# Altium PCB Fumsat Sanjeshi PCB.PcbDoc (part 2 of 2)
Units mm, origin at the board's own origin, x right, y up, seen from the top; angles counter-clockwise.
Board outline 60.2 x 90.04 mm, 4 copper layers (Top Layer, Layer 1, Layer 2, Bottom Layer); 128 components, 172 nets, 724 pads, 202 vias.
Unrouted connection lines stored in the file: 289.
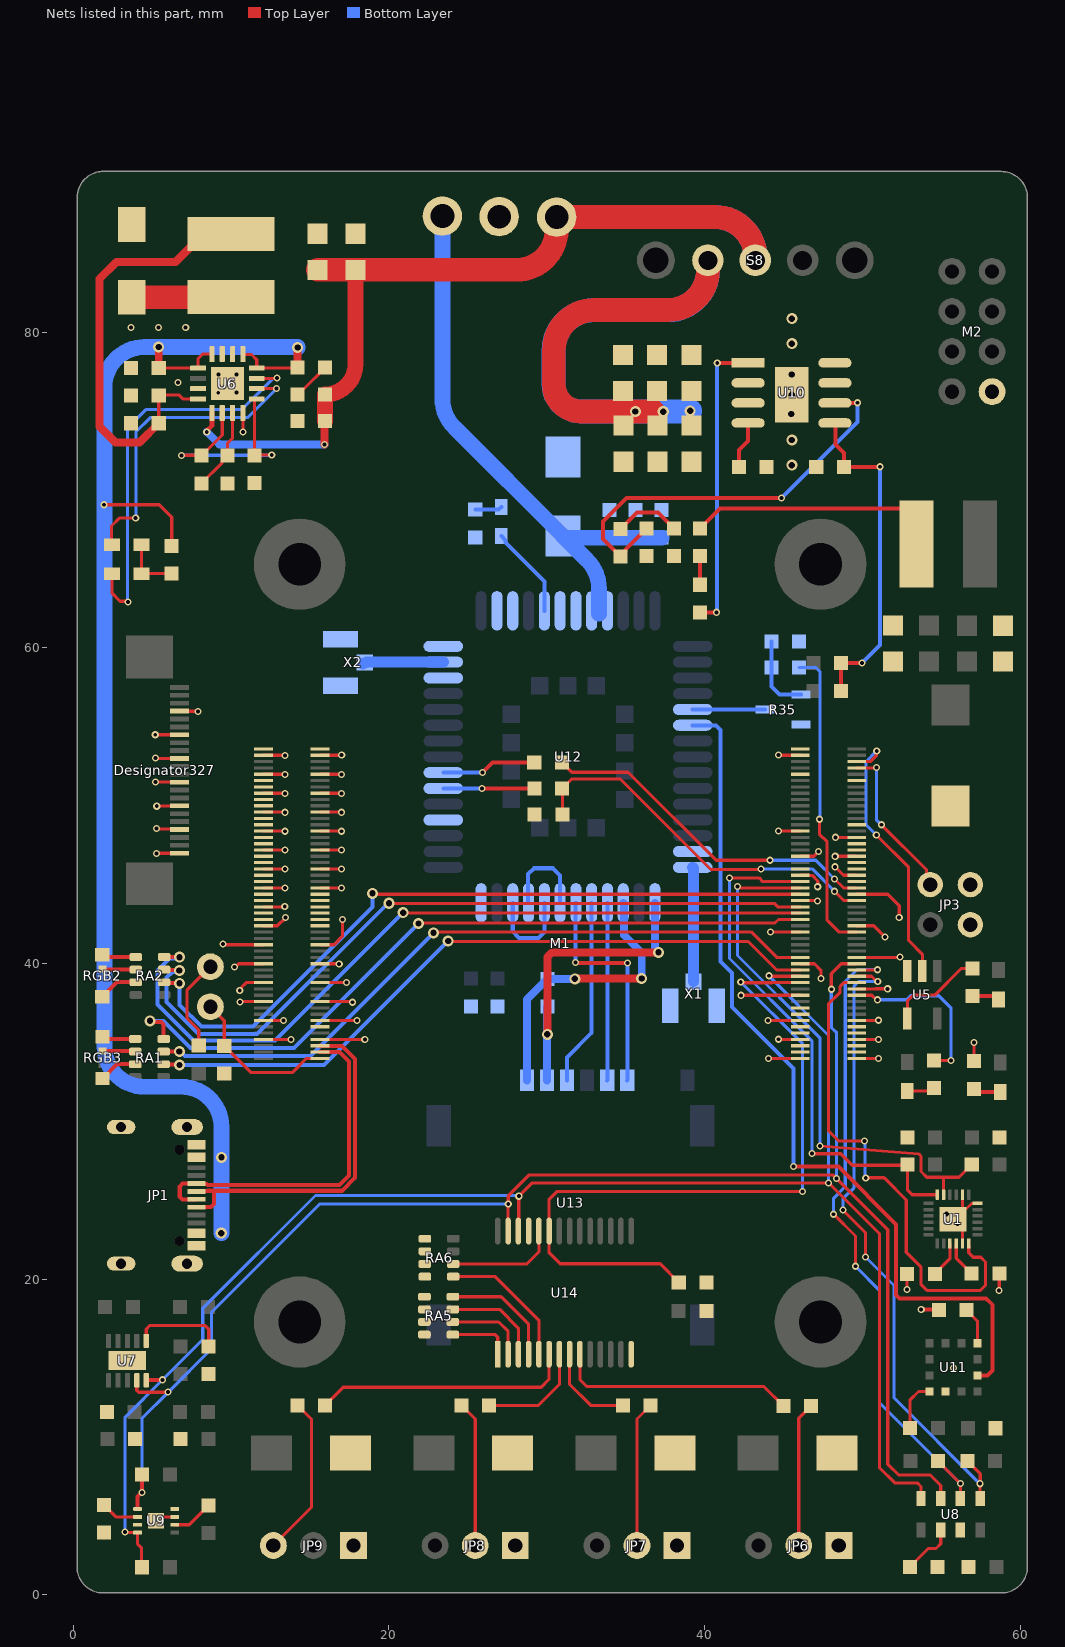
[diagram p4: the nets of this part, all layers, seen from the top]

## Via types
v1: diameter 0.45, hole 0.25, Top Layer to Bottom Layer, tented both sides, 161 vias
v2: diameter 0.7, hole 0.4, Top Layer to Bottom Layer, tented both sides, 39 vias
v3: diameter 0.45, hole 0.3, Top Layer to Bottom Layer, tented both sides, 2 vias

## Nets (pads, with @x,y where several pads share a name; then routed paths per layer and width w, separated by ;. In a path a pad name is that pad's centre, name@x,y a point inside that pad or via, vN(x,y) a via of type N, cw(c..) or ccw(c..) an arc to the next point about the centre after c; other vN are vias at no path point) (continued)
GND: C4.2 C5.2 C6.2 C7.1 C8.1 C9.1 C10.2 C11.1 C12.1 C14.2 C15.2 C16.2 C17.2 C18.2 C19.2 C21.2 C22.2 C23.2 C24.2 C25.2 C26.2 C27.2 C28.2 C29.2 C30.1 C31.1 C32.2 C33.2 C34.2 C35.2 C36.2 C37.2 C38.1 C39.1 C40.1 C41.1 C43.1 C44.2 C45.2 C46.2 C47.2 D5.1 Designator327.4 Designator327.7 Designator327.10 Designator327.13 Designator327.16 Designator327.19 Designator327.22 JP1.A1 JP1.A12 JP1.B1 JP1.B12 JP1.S1 JP1.S2 JP1.S3 JP1.S4 JP3.1 JP3.3 JP6.1 JP7.1 JP8.1 JP9.1 M1.1 M1.2 M1.7 M1.8 M1.13 M1.14 M1.22 M1.23 M1.32 M1.33 M1.42 M1.43 M1.52 M1.53 M1.59 M1.60 M1.65 M1.66 M1.71 M1.74 M1.98 M1.107 M1.108 M1.113 M1.114 M1.119 M1.120 M1.125 M1.126 M1.131 M1.132 M1.137 M1.138 M1.144 M1.150 M1.155 M1.156 M1.161 M1.162 M1.167 M1.168 M1.173 M1.174 M1.179 M1.180 M1.185 M1.186 M1.191 M1.192 M1.197 M1.198 M2.1 R8.2 R9.1 R14.1 R17.1 R22.1 R25.2 R27.1 R32.2 R35.2 R36.1 R39.2 R40.1 R43.2 RA5.5 RA5.6 RA5.7 RA5.8 RA6.5 RA6.6 RA6.7 RA6.8 TP2.1 U1.11 U1.18 U1.20 U1.25 U5.3 U6.7 U6.12 U6.17 U7.11 U8.3 U9.7 U9.8 U9.9 U10.7 U10.9 U11.5 U12.14 U12.27 U12.31 U12.40 U12.42 U12.44 U12.45 U12.48 U12.49 U14.14 U14.25 X1.G X2.G | length 112
  Top Layer w0.2: v1(5.205,54.488) Designator327.7@6.744,54.487 ; v1(5.219,53.028) 5.26,52.987 Designator327.10@6.744,52.987 ; v1(5.232,51.488) Designator327.13@6.744,51.487 ; U9.9@5.261,4.695 5.511,4.945 U9.7@6.436,4.945 ; v1(5.272,46.976) 5.278,46.981 6.739,46.981 Designator327.22@6.744,46.987 ; v1(5.272,48.543) 5.3,48.515 6.716,48.515 Designator327.19@6.744,48.487 ; v1(5.299,49.962) 5.311,49.974 6.732,49.974 Designator327.16@6.744,49.987 ; Designator327.4@6.744,55.987 6.751,55.98 7.904,55.98 v1(7.91,55.974) ; v1(9.488,41.224) 9.525,41.187 M1.138@12.052,41.187 ; v1(10.22,39.788) 10.287,39.788 10.487,39.987 M1.132@12.052,39.987 ; v1(10.559,38.277) 10.559,38.344 10.667,38.452 10.667,38.483 10.971,38.787 M1.126@12.052,38.787 ; v1(10.575,37.565) 10.597,37.587 M1.120@12.052,37.587 ; U6.12@10.75,74.879 10.762,74.867 10.762,73.69 v1(10.774,73.678) ; M1.108@12.052,35.187 13.789,35.187 v1(13.796,35.194) ; M1.114@12.052,36.387 13.322,36.387 v1(13.334,36.399) ; M1.144@12.052,42.387 12.944,42.387 v1(13.46,42.903) ; M1.150@12.052,43.587 13.397,43.587 v1(13.407,43.597) ; M1.156@12.052,44.787 13.419,44.787 v1(13.43,44.776) ; M1.162@12.052,45.987 13.419,45.987 v1(13.43,45.976) ; M1.168@12.052,47.187 13.419,47.187 v1(13.43,47.176) ; M1.174@12.052,48.387 13.419,48.387 v1(13.43,48.376) ; M1.180@12.052,49.587 13.419,49.587 v1(13.43,49.576) ; M1.186@12.052,50.787 13.419,50.787 v1(13.43,50.776) ; M1.192@12.052,51.987 13.419,51.987 v1(13.43,51.976) ; M1.198@12.052,53.187 13.419,53.187 v1(13.43,53.176) ; C39.1@14.213,76.048 14.558,76.392 14.613,76.392 C7.1@15.966,77.745 ; M1.107@15.634,35.187 v1(18.479,35.188) ; M1.113@15.634,36.387 v1(17.978,36.387) ; M1.119@15.634,37.587 17.652,37.587 v1(17.696,37.543) ; M1.125@15.634,38.787 17.309,38.787 v1(17.312,38.79) ; M1.131@15.634,39.987 16.835,39.987 v1(16.858,39.964) ; M1.137@15.634,41.187 16.534,41.187 17.062,41.716 v1(17.062,42.796) ; M1.155@15.634,44.787 17.001,44.787 v1(17.012,44.776) ; M1.161@15.634,45.987 17.001,45.987 v1(17.012,45.976) ; M1.167@15.634,47.187 17.001,47.187 v1(17.012,47.176) ; M1.173@15.634,48.387 17.001,48.387 v1(17.012,48.376) ; M1.179@15.634,49.587 17.001,49.587 v1(17.012,49.576) ; M1.185@15.634,50.787 17.001,50.787 v1(17.012,50.776) ; M1.191@15.634,51.987 17.001,51.987 v1(17.012,51.976) ; M1.197@15.634,53.187 17.009,53.187 v1(17.017,53.195) ; v1(42.314,37.984) 42.317,37.987 M1.22@46.063,37.987 ; v1(44.028,36.385) 44.03,36.387 M1.14@46.063,36.387 ; v1(44.042,33.989) 44.044,33.987 M1.2@46.063,33.987 ; v1(44.189,42.004) 44.206,41.987 M1.42@46.063,41.987 ; v1(44.685,35.198) 44.696,35.187 M1.8@46.063,35.187 ; v1(44.685,48.398) 44.696,48.387 M1.74@46.063,48.387 ; v1(44.685,53.198) 44.696,53.187 M1.98@46.063,53.187 ; M1.32@46.063,39.987 46.965,39.987 47.374,39.578 v1(47.374,39.06) ; M1.52@46.063,43.987 v1@47.151,43.987 ; M1.66@46.063,46.787 46.916,46.787 v1(47.221,47.093) ; M1.60@46.071,45.587 46.622,45.587 46.63,45.579 46.814,45.579 47.17,45.223 v1(47.17,44.86) ; v1(47.151,43.969) 47.151,43.983 47.155,43.987 47.27,43.987 v1@47.274,43.991 ; v1(48.266,46.125) 48.804,45.587 M1.59@49.644,45.587 ; v1(48.278,46.789) 48.28,46.787 M1.65@49.644,46.787 ; v1(48.308,47.993) 48.314,47.987 M1.71@49.644,47.987 ; M1.1@49.644,33.987 51.011,33.987 v1(51.022,33.976) ; M1.7@49.644,35.187 51.011,35.187 v1(51.022,35.176) ; M1.13@49.644,36.387 51.007,36.387 v1(51.024,36.405) ; M1.23@49.644,38.387 50.812,38.387 50.821,38.396 v1(51.604,38.396) ; M1.33@49.644,40.387 52.374,40.387 v1(52.385,40.398) ; M1.43@49.644,42.387 50.726,42.387 v1(51.424,41.688) ; M1.53@49.644,44.387 51.606,44.387 52.333,43.66 v1(52.333,42.92) ; v1(52.826,19.335) 52.826,20.321 R9.1@52.84,20.335 ; v1@55.681,14.352 55.746,14.352 v1(55.762,14.369) ; U1.25@55.741,23.807 56.341,23.207 U1.11@56.341,22.262 ; U1.25@55.821,23.807 56.491,24.477 56.597,24.477 56.917,24.797 57.276,24.797 U1.18@57.286,24.807 ; U1.25@56.341,24.407 U1.20@56.341,25.351 ; R27.1@57.081,33.815 v1(57.081,34.987) ; v1(58.666,19.281) 58.666,20.344 C5.2@58.676,20.354
  Top Layer w0.254: v1(53.726,18.086) 54.8,18.086 C30.1@54.849,18.037
  other v1: 9.196,76.155 10.358,76.165 6.657,76.804 9.215,77.307 10.348,77.307 3.68,80.29 5.415,80.29 7.134,80.29
  other v2: 45.532,71.564 45.532,73.163 45.503,74.806 45.522,76.031 45.517,77.306 45.532,79.262 45.532,80.848
  other v3: 56.022,23.521 55.325,24.129
GNSS_ANT: U12.15 X1.S | length 7.2
  Bottom Layer w0.7: U12.15@39.252,46.089 cw(c39.123,45.96) 39.306,45.96 X1.S@39.306,38.855
HDMI0_CEC: M1.151
HDMI0_CK_N: M1.190
HDMI0_CK_P: M1.188
HDMI0_D0_N: M1.184
HDMI0_D0_P: M1.182
HDMI0_D1_N: M1.178
HDMI0_D1_P: M1.176
HDMI0_D2_N: M1.172
HDMI0_D2_P: M1.170
HDMI0_HOTPLUG: M1.153
HDMI0_SCL: M1.200
HDMI0_SDA: M1.199
HDMI1_CEC: M1.149
HDMI1_CK_N: M1.166
HDMI1_CK_P: M1.164
HDMI1_D0_N: M1.160
HDMI1_D0_P: M1.158
HDMI1_D1_N: M1.154
HDMI1_D1_P: M1.152
HDMI1_D2_N: M1.148
HDMI1_D2_P: M1.146
HDMI1_HOTPLUG: M1.143
HDMI1_SCL: M1.145
HDMI1_SDA: M1.147
IMU_INT: M1.25 U1.12 | length 32.1
  Top Layer w0.2: M1.25@49.644,38.787 48.825,38.787 48.587,38.55 48.587,38.181 47.856,37.449 47.856,29.405 48.506,28.755 v1(50.13,28.755) ; v1(50.213,26.418) 50.219,26.424 51.374,26.424 52.781,25.017 52.781,21.705 53.704,20.782 53.704,19.67 54.087,19.288 57.482,19.288 57.8,19.606 57.8,21.089 57.495,21.394 57.017,21.394 56.738,21.673 56.738,22.168 U1.12@56.728,22.177
  Bottom Layer w0.2: v1(50.13,28.755) 50.171,28.713 50.171,26.459 v1(50.213,26.418)
IMU_SCL: M1.56 R41.2 U1.23 | length 34.9
  Top Layer w0.2: v1(42.088,44.872) 42.156,44.872 42.241,44.787 M1.56@46.063,44.787 ; v1(47.321,28.448) 53.595,27.919 53.713,27.802 53.713,26.82 54.071,26.461 55.095,26.461 ; U1.23@55.141,25.351 55.141,26.415 55.095,26.461 ; R41.2@56.927,27.27 56.118,26.461 55.095,26.461
  Bottom Layer w0.2: v1(42.088,44.872) 42.088,40.503 47.321,35.271 v1(47.321,28.448)
IMU_SDA: M1.58 R10.2 U1.24 | length 34.2
  Top Layer w0.2: v1(41.582,45.421) 43.455,45.421 43.69,45.187 M1.58@46.063,45.187 ; v1(46.8,27.95) 48.63,27.95 49.366,27.214 52.8,27.214 R10.2@52.847,27.261 52.847,25.662 53.157,25.351 U1.24@54.741,25.351
  Bottom Layer w0.2: v1(41.582,45.421) 41.582,40.315 46.802,35.095 46.802,27.953 v1(46.8,27.95)
IN0: U11.8 U12.6 | length 55.5
  Top Layer w0.254: v1(45.641,27.135) 48.472,27.135 52.134,23.473 52.134,18.987 52.342,18.778 57.836,18.778 58.234,18.38 58.234,14.201 57.937,13.904 U11.8@57.295,13.904
  Bottom Layer w0.254: U12.6@39.252,55.089 39.274,55.067 40.723,55.067 40.999,54.792 40.999,40.125 41.738,39.386 41.738,37.237 45.641,33.335 v1(45.641,27.135)
LED1: M1.46 RA1.8 | length 47.2
  Top Layer w0.2: v2(21.882,42.534) 21.918,42.569 44.468,42.569 44.686,42.787 M1.46@46.063,42.787
  Top Layer w0.254: v2(4.871,36.366) 4.946,36.291 5.585,36.291 5.734,36.142 RA1.8@5.735,35.217
  Bottom Layer w0.254: v2(4.871,36.366) 5.722,36.366 7.437,34.652 14,34.652 v2(21.882,42.534)
LED2: M1.34 RA1.7 | length 44.8
  Top Layer w0.2: v2(22.827,41.941) 22.889,42.003 42.949,42.003 44.565,40.387 M1.34@46.535,40.387
  Top Layer w0.254: RA1.7@5.735,34.417 5.738,34.42 v2(6.731,34.42)
  Bottom Layer w0.254: v2(6.731,34.42) 6.828,34.42 7.103,34.145 15.031,34.145 v2@22.823,41.937
LED3: M1.30 RA1.6 | length 44.4
  Top Layer w0.2: v2(23.756,41.429) 23.79,41.395 42.761,41.395 44.569,39.587 M1.30@46.063,39.587
  Top Layer w0.254: RA1.6@5.735,33.617 5.758,33.593 6.719,33.593 v2(6.743,33.57)
  Bottom Layer w0.254: v2(6.743,33.57) 15.897,33.57 v2(23.756,41.429)
LED4: M1.48 RA2.8 | length 49.9
  Top Layer w0.2: v2(20.905,43.222) 20.941,43.187 M1.48@46.063,43.187
  Top Layer w0.254: RA2.8@5.769,40.413 5.777,40.405 6.735,40.405 v2(6.743,40.397)
  Bottom Layer w0.254: v2(6.743,40.397) 6.658,40.312 6.105,40.312 5.352,39.559 5.352,37.388 7.629,35.111 12.794,35.111 v2(20.905,43.222)
LED5: M1.50 RA2.7 | length 48.1
  Top Layer w0.2: v2(20.009,43.815) 20.014,43.809 44.42,43.809 44.642,43.587 M1.50@46.063,43.587
  Top Layer w0.254: RA2.7@5.769,39.613 5.795,39.586 6.708,39.586 v2(6.735,39.56)
  Bottom Layer w0.254: v2(6.735,39.56) 6.649,39.474 6.286,39.474 5.911,39.1 5.911,37.551 7.931,35.531 11.658,35.531 19.942,43.815 v2(20.009,43.815)
LED6: M1.54 RA2.6 | length 46.3
  Top Layer w0.2: v2(18.968,44.439) 19.02,44.387 M1.54@46.063,44.387
  Top Layer w0.254: RA2.6@5.769,38.813 5.805,38.776 6.707,38.776 v2(6.743,38.74)
  Bottom Layer w0.254: v2(6.743,38.74) 6.743,37.38 8.127,35.996 11.383,35.996 18.968,43.58 v2(18.968,44.439)
MPL_INT1: M1.29 R24.1 U8.6 | length 42
  Top Layer w0.2: v1(48.18,24.115) 49.561,22.734 v1(49.561,20.821) ; M1.29@49.644,39.587 50.936,39.587 v1(50.952,39.603) ; R24.1@54.79,8.474 v1(56.213,7.051) U8.6@56.213,6.122
  Bottom Layer w0.2: v1(48.18,24.115) 48.18,25.131 48.918,25.869 48.918,38.854 49.683,39.619 50.936,39.619 v1(50.952,39.603) ; v1(49.561,20.821) 51.075,19.307 51.075,12.188 v1(56.213,7.051)
MPL_INT2: M1.27 R20.1 U8.5 | length 41.2
  Top Layer w0.2: v1(48.765,24.38) 50.199,22.946 v1(50.199,21.406) ; M1.27@49.644,39.187 50.58,39.187 50.905,38.861 v1(50.973,38.861) ; R20.1@56.659,8.474 57.463,7.67 57.463,7.066 v1(57.441,7.044) 57.441,6.144 U8.5@57.463,6.122
  Bottom Layer w0.2: v1(48.765,24.38) 48.765,25.094 49.474,25.803 49.474,38.582 49.753,38.861 v1(50.973,38.861) ; v1(50.199,21.406) 52.005,19.6 52.005,12.48 v1(57.441,7.044)
nACTIVITY: M1.21 R12.1 | length 10.9
  Top Layer w0.2: M1.21@49.644,37.987 50.604,37.987 50.892,37.699 v1(50.96,37.699) ; R12.1@54.542,33.864 54.556,33.85 v1(55.62,33.85)
  Bottom Layer w0.2: v1(50.96,37.699) 52.806,37.699 53.058,37.95 54.836,37.95 55.62,37.167 v1(55.62,33.85)
NetC5_1: C5.1 U1.10 | length 2.3
  Top Layer w0.2: U1.10@55.941,22.262 55.941,21.337 C5.1@56.924,20.354
NetC9_2: C9.2 C38.2 L5.2 R5.1 R6.2 U6.8 | length 27.9
  Top Layer w0.2: C9.2@5.427,74.222 C38.2@5.427,75.972 5.475,76.019 6.7,76.019 6.955,75.764 U6.8@7.915,75.764
  Top Layer w0.5: C9.2@5.427,74.222 4.202,72.997 2.692,72.997 1.671,74.017 1.671,83.366 2.747,84.442 6.494,84.442 8.257,86.205 L5.2@10.001,86.205
NetC12_2: C12.2 U8.2 | length 3.4
  Top Layer w0.2: C12.2@53.013,1.777 54.174,2.938 54.664,2.938 54.963,3.237 U8.2@54.963,4.122
NetC13_1: C13.1 R26.2 | length 1.8
  Top Layer w0.254: C13.1@39.715,63.991 R26.2@39.715,65.803
NetC13_2: C13.2 U10.1 | length 18.8
  Top Layer w0.254: C13.2@39.715,62.239 39.723,62.246 v1(40.757,62.246) ; v1(40.807,78.043) 40.809,78.046 42.759,78.046 U10.1@42.762,78.049
  Bottom Layer w0.254: v1(40.757,62.246) 40.782,62.271 40.782,78.018 v1(40.807,78.043)
NetC20_2: C20.2 R30.2 R32.1 U10.5 | length 21.3
  Top Layer w0.254: U10.5@48.262,74.239 48.286,74.214 48.286,72.867 48.83,72.324 R32.1@48.83,71.437 48.858,71.465 v1(51.119,71.465) ; R30.2@48.658,57.275 48.658,59.03 C20.2@48.659,59.031 48.669,59.022 v1(49.982,59.022)
  Bottom Layer w0.254: v1(49.982,59.022) 51.119,60.159 v1(51.119,71.465)
NetC21_1: C21.1 C22.1 C23.1 C24.1 C25.1 C26.1 S8.1 U10.2 U10.3 | length 69.2
  Top Layer w1.5: 36.743,74.968 32.169,74.968 ; S8.1@40.216,84.543 S8.1@40.216,83.933 ; 30.458,76.679 ccw(c32.169,76.679) 32.169,74.968 ; 30.458,76.679 ccw(c32.169,76.679) 32.169,74.968 ; 30.457,76.679 30.457,78.853 ; 30.458,78.853 cw(c32.998,78.853) 32.998,81.393 ; 30.458,78.853 cw(c32.998,78.853) 32.998,81.393 ; 32.997,81.393 37.676,81.393 ; 37.676,81.393 ccw(c37.676,83.933) S8.1@40.216,83.933 ; 37.676,81.393 ccw(c37.676,83.933) S8.1@40.216,83.933
  Bottom Layer w1.5: v2(39.087,75.003) cw(c39.052,75.003) 39.052,74.967 32.181,74.967 ; S8.1@40.216,84.543 S8.1@40.216,83.914 ; 30.432,76.716 ccw(c32.181,76.716) 32.181,74.967 ; 30.432,76.716 ccw(c32.181,76.716) 32.181,74.967 ; 30.432,76.716 30.432,78.834 ; 30.432,78.834 cw(c32.972,78.834) 32.972,81.374 ; 30.432,78.834 cw(c32.972,78.834) 32.972,81.374 ; 32.972,81.374 37.676,81.374 ; 37.676,81.374 ccw(c37.676,83.914) S8.1@40.216,83.914 ; 37.676,81.374 ccw(c37.676,83.914) S8.1@40.216,83.914
  other v2: 35.616,74.967 37.385,74.959
NetC27_1: C27.1 U10.4 | length 3
  Top Layer w0.254: C27.1@42.177,71.448 42.177,72.521 42.762,73.106 U10.4@42.762,74.239
NetC28_1: C28.1 R31.1 U10.6 | length 26.6
  Top Layer w0.254: C28.1@36.328,67.556 34.989,66.217 34.989,66.091 R31.1@34.672,65.774 33.566,66.88 33.566,68.002 35.048,69.484 v1(44.888,69.484) ; U10.6@48.262,75.509 48.267,75.514 49.687,75.514 v1(49.693,75.52)
  Bottom Layer w0.254: v1(44.888,69.484) 49.693,74.288 v1(49.693,75.52)
NetC29_1: C29.1 R31.2 | length 4.2
  Top Layer w0.254: R31.2@34.672,67.526 35.72,68.575 37.046,68.575 C29.1@38.056,67.564
NetC30_2: C30.2 U11.10 | length 2.4
  Top Layer w0.2: C30.2@56.601,18.037 57.295,17.342 U11.10@57.295,15.936
NetD5_2: D5.2 L5.1 U6.2 U6.3 | length 6.3
  Top Layer w0.2: D5.2@3.712,82.205 D5.2@3.712,82.207
  Top Layer w1.5: D5.2@3.712,82.205 L5.1@10.001,82.205
NetJP1_A2: 
NetJP1_A10: 
NetJP1_B2: 
NetJP1_B10: 
NetJP5_1: JP5.1 R13.2 | length 5.9
  Top Layer w0.2: R13.2@7.96,34.791 7.96,35.782 7.225,36.516 7.225,38.326 JP5.1@8.696,39.797
NetJP6_2: JP6.2 R42.1 | length 9.2
  Top Layer w0.2: JP6.2@45.968,3.128 45.968,11.197 R42.1@46.745,11.974
NetJP7_2: JP7.2 R44.1 | length 9.2
  Top Layer w0.2: JP7.2@35.721,3.128 35.721,11.141 R44.1@36.584,12.005
NetJP8_2: JP8.2 R45.1 | length 9.2
  Top Layer w0.2: R45.1@24.609,12.007 25.473,11.143 JP8.2@25.473,3.128
NetJP9_3: JP9.3 R46.1 | length 10.2
  Top Layer w0.2: JP9.3@12.685,3.128 15.1,5.542 15.1,11.127 R46.1@14.219,12.007
NetL3_1: L3.1 R26.1 U10.8 | length 15.9
  Top Layer w0.254: R26.1@39.715,67.556 40.033,67.873 40.971,68.811 52.493,68.811 53.441,67.863 L3.1@53.441,66.572
NetLED2_2: LED2.2 R15.1 | length 1.7
  Top Layer w0.254: R15.1@56.816,37.937 58.251,37.937 LED2.2@58.467,37.721
NetLED5_1: LED5.1 LED8.1 R7.2 | length 3.8
  Top Layer w0.2: LED5.1@4.323,64.68 LED5.1@4.327,64.684 ; LED8.1@4.327,66.517 LED5.1@4.327,64.684 ; R7.2@6.249,64.695 4.338,64.695 LED5.1@4.327,64.684
NetLED5_2: LED5.2 U6.15 | length 25.5
  Top Layer w0.2: LED5.2@2.469,64.68 2.473,64.676 2.473,63.447 2.975,62.945 3.42,62.945 v1(3.468,62.897) ; U6.15@11.635,77.064 12.876,77.064 ccw(c12.876,77.093) v1(12.905,77.093)
  Bottom Layer w0.2: v1@3.439,62.897 3.439,73.895 4.647,75.103 10.698,75.103 12.64,77.045 12.857,77.045 v1(12.905,77.093)
NetLED6_2: LED6.2 R27.2 | length 1.7
  Top Layer w0.254: R27.2@57.081,32.063 57.271,31.872 LED6.2@58.732,31.872
NetLED7_2: LED7.2 R39.1 | length 1.7
  Bottom Layer w0.254: R39.1@25.477,68.747 26.95,68.747 LED7.2@27.128,68.925
NetLED8_2: LED8.2 U6.14 | length 19.7
  Top Layer w0.2: LED8.2@2.473,66.517 2.435,66.554 2.435,67.711 2.936,68.212 v1(3.967,68.212) ; U6.14@11.635,76.414 12.894,76.414 v1(12.894,76.425)
  Bottom Layer w0.2: v1@3.989,68.212 3.989,73.689 4.879,74.58 11.05,74.58 v1(12.894,76.425)
NetLED9_2: LED9.2 R12.2 | length 1.8
  Top Layer w0.2: LED9.2@52.852,31.916 54.347,31.916 R12.2@54.542,32.111
NETLIGHT: LED7.1 U12.47 | length 5.9
  Bottom Layer w0.254: LED7.1@27.128,67.071 27.401,66.797 27.401,66.661 29.141,64.921 29.852,64.21 U12.47@29.852,62.339
NetR8_1: R8.1 R11.1 U6.11 | length 5.3
  Top Layer w0.2: R11.1@8.135,70.412 9.44,71.716 9.44,71.821 R8.1@9.784,72.166 9.784,72.954 10.1,73.27 U6.11@10.1,74.879
NetR9_2: R9.2 U1.9 | length 2.3
  Top Layer w0.2: R9.2@54.593,20.335 55.541,21.284 U1.9@55.541,22.262
NetR15_2: R15.2 U5.4 | length 6.1
  Top Layer w0.2: U5.4@52.847,36.517 52.847,37.622 53.219,37.993 54.585,37.993 56.281,39.69 R15.2@56.968,39.69
NetR17_2: R17.2 U9.2 | length 2.4
  Top Layer w0.2: R17.2@1.951,5.703 2.709,4.945 U9.2@4.086,4.945
NetR22_2: R22.2 U7.1 | length 6
  Top Layer w0.2: U7.1@4.635,16.087 4.635,16.831 4.875,17.071 8.341,17.071 8.59,16.822 R22.2@8.59,15.743
NetR33_2: R33.2 U11.4 | length 3.2
  Top Layer w0.2: R33.2@53.026,10.582 53.026,12.358 53.556,12.888 U11.4@54.247,12.888
NetR34_2: R34.2 R35.1 R36.2 | length 4.9
  Bottom Layer w0.254: R36.2@44.242,60.396 R34.2@44.242,58.745 44.242,57.536 44.75,57.028 R35.1@46.106,57.028
NetR37_1: R37.1 U12.34 | length 6
  Top Layer w0.254: v1(25.937,52.108) 26.574,52.745 R37.1@29.213,52.745
  Bottom Layer w0.254: U12.34@23.452,52.089 23.462,52.099 25.927,52.099 v1(25.937,52.108)
NetR38_1: R38.1 U12.33 | length 5.8
  Top Layer w0.254: v1(25.915,51.087) 29.23,51.087 R38.1@29.233,51.089
  Bottom Layer w0.254: U12.33@23.452,51.089 23.454,51.088 25.913,51.088 v1(25.915,51.087)
NetRA1_1: RA1.1 RGB3.1 | length 2.1
  Top Layer w0.254: RGB3.1@1.866,35.365 2.014,35.217 RA1.1@3.935,35.217
NetRA1_2: RA1.2 RGB3.2 | length 2.1
  Top Layer w0.254: RGB3.2@1.866,34.465 1.89,34.441 3.911,34.441 RA1.2@3.935,34.417
NetRA1_3: RA1.3 RGB3.4 | length 2.4
  Top Layer w0.254: RGB3.4@1.866,32.715 1.891,32.715 2.793,33.617 RA1.3@3.935,33.617
NetRA2_1: RA2.1 RGB2.1 | length 2.2
  Top Layer w0.254: RGB2.1@1.853,40.555 ccw(c1.995,40.555) 1.995,40.413 RA2.1@3.969,40.413
NetRA2_2: RA2.2 RGB2.2 | length 2.1
  Top Layer w0.254: RGB2.2@1.853,39.655 ccw(c1.895,39.655) 1.895,39.613 RA2.2@3.969,39.613
NetRA2_3: RA2.3 RGB2.4 | length 2.5
  Top Layer w0.254: RGB2.4@1.853,37.905 1.878,37.905 2.785,38.813 RA2.3@3.969,38.813
NetRA5_1: RA5.1 U14.1 | length 4
  Top Layer w0.2: RA5.1@24.058,16.487 26.748,16.487 26.905,16.33 U14.1@26.905,15.25
NetRA5_2: RA5.2 U14.2 | length 5.2
  Top Layer w0.2: RA5.2@24.058,17.287 26.959,17.287 27.555,16.691 U14.2@27.555,15.25
NetRA5_3: RA5.3 U14.3 | length 6.3
  Top Layer w0.2: RA5.3@24.058,18.087 27.018,18.087 28.205,16.9 U14.3@28.205,15.25
NetRA5_4: RA5.4 U14.4 | length 7.4
  Top Layer w0.2: RA5.4@24.058,18.887 27.114,18.887 28.855,17.146 U14.4@28.855,15.25
NetRA6_1: RA6.1 U14.5 | length 8.7
  Top Layer w0.2: RA6.1@24.085,20.164 26.746,20.164 29.505,17.406 U14.5@29.505,15.25
NetRA6_2: RA6.2 U14.24 | length 7.1
  Top Layer w0.2: RA6.2@24.085,20.964 28.749,20.964 29.505,21.72 U14.24@29.505,23.05
nEXTRST: M1.100
nPWR_LED: M1.95 U5.2 | length 17.4
  Top Layer w0.2: M1.95@49.644,52.787 50.509,52.787 50.876,53.154 50.876,53.43 v1(50.909,53.463) ; v1(50.88,48.135) 52.931,46.083 52.931,41.456 53.797,40.59 U5.2@53.797,39.517
  Bottom Layer w0.2: v1(50.88,48.135) 50.23,48.784 50.23,52.784 v1(50.909,53.463)
nRPIBOOT: JP3.4 M1.93 | length 10.1
  Top Layer w0.2: M1.93@49.644,52.387 50.867,52.387 v1(50.885,52.405) ; v1(51.204,48.788) 54.071,45.922 54.071,45.22 JP3.4@54.298,44.993
  Bottom Layer w0.2: v1(50.885,52.405) 50.885,49.107 v1(51.204,48.788)
PCA_OE: M1.26 R43.1 U14.23 | length 47.3
  Top Layer w0.2: R43.1@38.367,19.791 37.185,20.974 30.852,20.974 30.155,21.671 U14.23@30.155,23.05 30.155,25.068 30.632,25.544 v1(46.211,25.544) ; v1(42.295,38.823) 42.341,38.776 44.256,38.776 44.267,38.787 M1.26@46.063,38.787
  Bottom Layer w0.2: v1(42.295,38.823) 46.211,34.906 v1(46.211,25.544)
PCA_OUT0: R42.2 U14.9 | length 15.2
  Top Layer w0.2: 32.104,14.099 32.104,13.643 32.552,13.195 43.771,13.195 R42.2@44.992,11.974 ; 32.105,14.1 U14.9@32.105,15.25
PCA_OUT1: R44.2 U14.8 | length 5.8
  Top Layer w0.2: U14.8@31.455,15.25 31.455,13.333 32.783,12.005 R44.2@34.831,12.005
PCA_OUT2: R45.2 U14.7 | length 6.9
  Top Layer w0.2: R45.2@26.361,12.007 29.487,12.007 30.807,13.328 30.807,15.248 U14.7@30.805,15.25
PCA_OUT3: R46.2 U14.6 | length 16.5
  Top Layer w0.2: R46.2@15.972,12.007 17.119,13.155 29.646,13.155 30.14,13.65 30.14,15.235 U14.6@30.155,15.25
PWRKEY: R35.3 U12.5 | length 4.6
  Bottom Layer w0.254: U12.5@39.252,56.089 ccw(c39.278,56.115) 39.278,56.079 R35.3@43.82,56.079
RF_ANT: U12.41 X2.S | length 5.1
  Bottom Layer w0.7: X2.S@18.368,58.97 cw(c18.655,58.683) 18.655,59.089 U12.41@23.452,59.089
RUN_PG: M1.92
RXD_GNSS: U12.23 U12.25 | length 6
  Bottom Layer w0.256: U12.25@27.852,43.839 27.852,42.033 28.261,41.625 29.47,41.625 29.852,42.007 U12.23@29.852,43.839
RXD_MAIN: M1.55 R37.2 | length 22
  Top Layer w0.2: R37.2@30.966,52.745 31.594,52.117 35.155,52.117 40.733,46.539 v1(44.135,46.539) ; v1(48.235,45.354) 48.802,44.787 M1.55@49.644,44.787
  Bottom Layer w0.2: v1(44.135,46.539) 47.05,46.539 v1(48.235,45.354)
SCL: M1.28 R29.2 U7.10 U8.8 U9.4 U14.26 | length 105.6
  Top Layer w0.2: v1(3.293,3.975) 3.323,3.945 U9.4@4.086,3.945 4.086,3.221 ; 4.108,3.198 4.34,2.967 4.34,1.787 R29.2@4.374,1.753 ; U14.26@28.205,23.05 28.234,23.078 v1(28.234,25.257) 29.079,26.102 47.854,26.102 51.093,22.863 51.093,8.042 52.042,7.094 53.487,7.094 53.713,6.868 U8.8@53.713,6.122 ; v1(44.072,39.221) 44.105,39.187 M1.28@46.063,39.187
  Top Layer w0.254: U7.10@4.621,13.518 4.621,13.58 4.668,13.627 v1(5.662,13.627)
  Bottom Layer w0.2: v1(3.293,3.975) 3.293,11.259 v1(5.662,13.627) 8.215,16.181 8.215,18.16 15.358,25.302 28.189,25.302 v1(28.234,25.257) ; v1(44.072,39.221) 47.855,35.437 47.855,26.101 v1(47.861,26.095)
SD_CLK: M1.57
SD_CMD: M1.62
SD_DATA0: M1.63
SD_DATA1: M1.67
SD_DATA2: M1.69
SD_DATA3: M1.61
SD_PWR_ON: M1.75
SDA: M1.31 R28.2 U7.9 U8.7 U9.1 U14.27 | length 102.7
  Top Layer w0.2: U7.9@4.035,13.587 4.035,12.954 4.152,12.837 6.014,12.837 v1(6.02,12.843) ; U14.27@27.555,23.05 27.56,23.055 27.56,24.758 v1(27.566,24.763) 27.566,25.278 28.894,26.607 48.126,26.607 48.362,26.371 v1(48.369,26.371) 51.611,23.128 51.611,8.278 52.293,7.596 54.295,7.596 54.963,6.928 U8.7@54.963,6.122 ; v1(48.032,38.368) 48.032,39.355 48.663,39.987 M1.31@49.644,39.987
  Top Layer w0.254: U9.1@4.086,5.445 4.086,6.225 v1@4.351,6.491 ; v1@4.374,6.514 R28.2@4.374,7.636
  Bottom Layer w0.2: v1(4.367,6.476) 4.367,11.19 v1(6.02,12.843) 8.769,15.592 8.769,17.918 15.614,24.763 v1(27.566,24.763) ; v1(48.032,38.368) 48.032,35.947 48.369,35.61 v1(48.369,26.371)
SHT35_ALT: U9.3
SHT35_RESET: R21.2 U9.6 | length 2.7
  Top Layer w0.2: U9.6@6.436,4.445 7.357,4.445 R21.2@8.59,5.678
SIM1_CLK: U12.19 U13.C3 | length 11.2
  Bottom Layer w0.254: U13.C3@33.833,32.598 33.852,32.617 U12.19@33.852,43.839
SIM1_DATA: U12.21 U13.C7 | length 14.5
  Top Layer w0.254: v1(31.829,40.057) 31.843,40.044 35.099,40.044 v1(35.112,40.03)
  Bottom Layer w0.254: v1(31.829,40.057) 31.841,40.069 31.841,43.828 U12.21@31.852,43.839 ; U13.C7@35.103,32.598 35.112,32.607 v1(35.112,40.03)
SIM1_RST: U12.20 U13.C2 | length 11.9
  Bottom Layer w0.254: U13.C2@31.293,32.598 31.293,34.052 32.852,35.611 U12.20@32.852,43.839
SIM1_VDD: C42.1 U12.18 U13.C1 | length 18.2
  Top Layer w0.254: v2(31.789,39.026) v2@31.802,39.04 ; v2@36.007,39.04 v2(36.021,39.054)
  Top Layer w0.5: v2@31.802,39.04 v2@36.007,39.04
  Bottom Layer w0.5: U13.C1@28.753,32.598 28.753,37.727 C42.1@30.045,39.019 30.052,39.026 v2(31.789,39.026) ; U12.18@34.852,43.839 34.887,43.804 34.887,41.815 36.021,40.681 v2(36.021,39.054)
SIM_GND: C42.2 U12.16 U13.C5 | length 20
  Top Layer w0.5: v2(30.043,35.508) 30.043,40.412 30.336,40.705 v2(37.087,40.705)
  Bottom Layer w0.254: C42.2@30.023,37.245 C42.2@30.045,37.266
  Bottom Layer w0.5: U13.C5@30.023,32.598 C42.2@30.023,37.245 ; U12.16@36.852,43.839 36.852,40.994 37.087,40.759 v2(37.087,40.705)
SYNC_IN: M1.16
SYNC_OUT: M1.18
TP5100_CS: C41.2 R11.2 U6.10 U6.13 | length 15.1
  Top Layer w0.2: v1(6.868,72.189) 8.11,72.189 R11.2@8.135,72.164 9.45,73.479 U6.10@9.45,74.879 ; U6.13@11.635,75.764 11.542,75.764 11.482,75.704 C41.2@11.482,72.183 11.507,72.208 v1(12.584,72.208)
  Bottom Layer w0.2: v1(6.868,72.189) 6.877,72.198 12.575,72.198 v1(12.584,72.208)
TRD0_N: M1.10
TRD0_P: M1.12
TRD1_N: M1.6
TRD1_P: M1.4
TRD2_N: M1.9
TRD2_P: M1.11
TRD3_N: M1.5
TRD3_P: M1.3
TURN_ON_PULSE: M1.41 R34.1 | length 19.6
  Top Layer w0.2: v1(47.277,49.136) 47.277,48.191 47.763,47.705 47.763,42.746 48.523,41.986 48.744,41.986 ; 48.744,41.987 M1.41@49.644,41.987
  Bottom Layer w0.2: R34.1@45.995,58.745 47.057,58.745 47.304,58.499 47.304,49.163 v1(47.277,49.136)
TV_OUT: M1.111
TXD_GNSS: U12.22 U12.24 | length 6
  Bottom Layer w0.256: U12.24@28.852,43.839 28.814,43.878 28.814,45.657 29.189,46.032 30.398,46.032 30.852,45.578 U12.22@30.852,43.839
TXD_MAIN: M1.51 R38.2 R40.2 | length 23.8
  Top Layer w0.2: R40.2@30.996,49.45 30.996,51.078 R38.2@30.985,51.089 31.573,51.677 34.674,51.677 40.399,45.952 43.53,45.952 v1(43.572,45.994) ; v1(48.235,44.572) 48.82,43.987 M1.51@49.644,43.987
  Bottom Layer w0.2: v1(43.572,45.994) 46.813,45.994 v1(48.235,44.572) v1@48.25,44.572
USB2_N: JP1.A7 JP1.B7 M1.103 | length 22.2
  Top Layer w0.256: JP1.A7@7.812,25.061 6.918,25.061 6.758,25.221 6.758,25.878 6.942,26.061 JP1.B7@7.812,26.061 7.834,26.039 8.447,26.039 8.508,25.978 10.349,25.978 16.6,25.978 16.87,25.978 17.474,26.582 17.474,33.797 16.871,34.399 15.646,34.399 M1.103@15.634,34.387
USB2_P: JP1.A6 JP1.B6 M1.105 | length 22.5
  Top Layer w0.256: JP1.B6@7.812,24.561 8.729,24.561 8.925,24.757 8.925,25.602 ; JP1.A6@7.812,25.561 7.834,25.583 8.511,25.583 8.53,25.602 8.925,25.602 ; M1.105@15.634,34.787 15.646,34.775 17.027,34.775 17.85,33.952 17.85,26.426 17.026,25.602 16.6,25.602 10.349,25.602 8.925,25.602
USBOTG_ID: JP5.2 M1.101 R14.2 | length 9.7
  Top Layer w0.2: JP5.2@8.696,37.257 9.577,36.376 R14.2@9.577,34.783 11.257,33.103 13.905,33.103 14.789,33.987 M1.101@15.388,33.987
VBAT: C39.2 C40.2 R5.2 R6.1 S8.2 TP1.1 U6.9 | length 70.2
  Top Layer w0.2: C40.2@15.932,74.317 C40.2@15.966,74.35
  Top Layer w0.3: v1(8.469,73.679) 8.469,73.743 8.8,74.074 U6.9@8.8,74.879
  Top Layer w0.5: v1(15.932,72.885) C40.2@15.932,74.317
  Top Layer w1: C40.2@15.966,74.35 C39.2@15.966,76.048 ; R5.2@17.888,83.939 17.888,77.97 ; C39.2@15.966,76.048 ccw(c15.966,77.97) 17.888,77.97 ; C39.2@15.966,76.048 ccw(c15.966,77.97) 17.888,77.97
  Top Layer w1.5: R6.1@15.495,83.939 R5.2@17.888,83.939 28.091,83.939 ccw(c28.091,86.479) 30.631,86.479 TP1.1@30.631,87.283 40.676,87.283 cw(c40.676,84.743) 43.216,84.743 S8.2@43.216,84.543
  Bottom Layer w0.5: v1(8.469,73.679) 9.262,72.885 v1(15.932,72.885)
  Bottom Layer w1.5: TP1.1@30.631,87.283 40.676,87.283 cw(c40.676,84.743) 43.216,84.743 S8.2@43.216,84.543
VBAT1C: C32.1 C33.1 C34.1 C35.1 TP3.1 U12.50 U12.51 | length 39.2
  Bottom Layer w1: TP3.1@23.396,87.349 23.396,75.765 ; 33.314,62.15 33.314,63.743 ; C35.1@37.28,66.969 C34.1@35.629,66.969 C33.1@33.978,66.969 C32.1@31.14,66.969 ; 23.396,75.765 ccw(c25.936,75.765) 24.14,73.969 ; 23.396,75.765 ccw(c25.936,75.765) 24.14,73.969 ; 24.14,73.969 C32.1@31.034,67.075 C32.1@31.14,66.969 ; C32.1@31.14,66.969 32.57,65.539 ; 32.57,65.539 cw(c30.774,63.743) 33.314,63.743 ; 32.57,65.539 cw(c30.774,63.743) 33.314,63.743
VUSB: C7.2 C8.2 JP1.A4 JP1.A9 JP1.B4 JP1.B9 R7.1 U6.1 U6.4 U6.5 U6.16 | length 97.8
  Top Layer w0.2: v1(1.957,69.059) 5.464,69.059 6.249,68.274 R7.1@6.249,66.448 ; C8.2@5.595,77.714 U6.5@7.915,77.714 7.915,78.317 8.197,78.599 U6.4@8.8,78.599 ; U6.1@10.75,78.599 10.771,78.578 11.303,78.578 11.635,78.246 U6.16@11.635,77.714 14.141,77.714 C7.2@14.241,77.813
  Top Layer w0.5: v2(5.419,79.048) 5.427,79.048 C8.2@5.427,77.722 ; v2@9.293,27.707 9.293,27.718 v2(9.397,27.718) ; v2(14.227,79.025) 14.227,77.813 C7.2@14.241,77.813
  Bottom Layer w1: v2(9.387,22.915) 9.397,22.915 v2(9.397,27.718) 9.397,29.647 ccw(c6.857,29.647) 6.857,32.187 4.526,32.187 ; v2(14.227,79.025) ccw(c14.204,79.026) 14.204,79.048 v2(5.419,79.048) 4.526,79.048 ; 1.986,34.727 ccw(c4.526,34.727) 4.526,32.187 ; 1.986,34.727 ccw(c4.526,34.727) 4.526,32.187 ; 1.986,34.727 1.986,76.508 ; 1.986,76.508 cw(c4.526,76.508) 4.526,79.048 ; 1.986,76.508 cw(c4.526,76.508) 4.526,79.048
WL_nDis: M1.89
pads on no net: Designator327.5 Designator327.8 Designator327.9 Designator327.11 Designator327.12 Designator327.Z1 Designator327.Z2 JP1. JP1.A5 JP1.A8 JP1.B5 JP1.B8 M1.19 M1.24 M1.37 M1.39 M1.64 M1.68 M1.70 M1.72 M1.73 M1.76 M1.80 M1.82 M1.102 M1.104 M1.106 M1.109 M1.110 M1.112 M1.115 M1.116 M1.117 M1.118 M1.121 M1.122 M1.123 M1.124 M1.127 M1.129 M1.133 M1.135 M1.139 M1.141 M1.157 M1.159 M1.163 M1.165 M1.169 M1.171 M1.175 M1.177 M1.181 M1.183 M1.187 M1.189 M1.193 M1.194 M1.195 M1.196 M1.S1 M1.S2 M1.S3 M1.S4 RA1.4 RA1.5 RA2.4 RA2.5 RA6.3 RA6.4 S8.0 S8.3 U1.2 U1.3 U1.4 U1.5 U1.6 U1.7 U1.14 U1.15 U1.16 U1.17 U1.19 U1.21 U5.1 U6.6 U11.1 U11.2 U11.3 U11.6 U11.9 U11.11 U11.12 U12.1 U12.2 U12.3 U12.4 U12.7 U12.8 U12.9 U12.10 U12.11 U12.12 U12.13 U12.17 U12.28 U12.29 U12.30 U12.32 U12.35 U12.36 U12.37 U12.38 U12.39 U12.43 U12.46 U12.52 U12.53 U12.54 U12.55 U12.56 U12.57 U12.58 U12.59 U12.60 U12.61 U12.62 U12.63 U12.64 U12.65 U12.66 U12.67 U12.68 U13.1 U13.2 U13.3 U13.4 U13.C6 U13.CD U14.10 U14.11 U14.12 U14.13 U14.15 U14.16 U14.17 U14.18 U14.19 U14.20 U14.21 U14.22

## Polygon pours and split planes (outlines as drawn)
GND on Bottom Layer "NONET_L04_P001" (solid, remove dead copper, shelved, pour order 1): 0.254,1.778 0.254,88.646 0.263,88.694 cw(c1.905,88.519) 1.73,90.161 1.778,90.17 58.801,90.17 cw(c58.801,88.519) 60.452,88.519 60.452,1.778 cw(c58.801,1.778) 58.801,0.127 1.905,0.127 cw(c1.905,1.778)
GND on Top Layer "NONET_L01_P000" (solid, remove dead copper, shelved, pour order 0): 0.254,1.778 0.254,88.646 0.263,88.694 cw(c1.905,88.519) 1.73,90.161 1.778,90.17 58.801,90.17 cw(c58.801,88.519) 60.452,88.519 60.452,1.778 cw(c58.801,1.778) 58.801,0.127 1.905,0.127 cw(c1.905,1.778)
GND on Layer 2 (split plane): 58.95,89.653 59.097,89.623 59.239,89.575 59.373,89.509 59.497,89.426 59.609,89.327 59.708,89.215 59.791,89.091 59.857,88.957 59.905,88.815 59.935,88.668 59.943,88.533 59.942,88.519 59.942,1.778 59.943,1.764 59.935,1.629 59.905,1.482 59.857,1.34 59.791,1.206 59.708,1.082 59.609,0.97 59.497,0.871 59.373,0.788 59.239,0.722 59.097,0.674 58.95,0.644 58.815,0.636 58.801,0.637 1.905,0.637 1.891,0.636 1.756,0.644 1.609,0.674 1.467,0.722 1.333,0.788 1.209,0.871 1.097,0.97 0.998,1.082 0.915,1.206 0.849,1.34 0.801,1.482 0.771,1.629 0.763,1.764 0.764,1.778 0.764,88.597 0.768,88.64 0.77,88.64 0.771,88.668 0.801,88.815 0.849,88.957 0.915,89.091 0.998,89.215 1.097,89.327 1.209,89.426 1.333,89.509 1.467,89.575 1.609,89.623 1.756,89.653 1.784,89.654 1.784,89.656 1.827,89.66 58.801,89.66 58.815,89.661
GND on Layer 1 (split plane): 58.95,89.653 59.097,89.623 59.239,89.575 59.373,89.509 59.497,89.426 59.609,89.327 59.708,89.215 59.791,89.091 59.857,88.957 59.905,88.815 59.935,88.668 59.943,88.533 59.942,88.519 59.942,1.778 59.943,1.764 59.935,1.629 59.905,1.482 59.857,1.34 59.791,1.206 59.708,1.082 59.609,0.97 59.497,0.871 59.373,0.788 59.239,0.722 59.097,0.674 58.95,0.644 58.815,0.636 58.801,0.637 1.905,0.637 1.891,0.636 1.756,0.644 1.609,0.674 1.467,0.722 1.333,0.788 1.209,0.871 1.097,0.97 0.998,1.082 0.915,1.206 0.849,1.34 0.801,1.482 0.771,1.629 0.763,1.764 0.764,1.778 0.764,88.597 0.768,88.64 0.77,88.64 0.771,88.668 0.801,88.815 0.849,88.957 0.915,89.091 0.998,89.215 1.097,89.327 1.209,89.426 1.333,89.509 1.467,89.575 1.609,89.623 1.756,89.653 1.784,89.654 1.784,89.656 1.827,89.66 58.801,89.66 58.815,89.661

## Keep-outs
Keep-Out Layer:
  lines w0.254: 0.381,88.519 cw(c1.905,88.519) 1.905,90.043 ; 0.381,88.646 0.381,1.778 ccw(c1.905,1.778) 1.905,0.254 58.801,0.254 ccw(c58.801,1.778) 60.325,1.778 60.325,88.519 ; 1.778,90.043 58.801,90.043 cw(c58.801,88.519) 60.325,88.519 ; 60.325,84.455 60.325,88.519

## Other copper
Top Layer:
  rectangle net VUSB: 7.242,27.41 9.562,28.015
  rectangle net VUSB: 7.242,22.609 9.562,23.213
  rectangle net NetC9_2: 8.746,85.574 18.53,86.854
  region net 3.3V: 45.564,49.284 45.371,49.284 cw(c45.371,50.336) 44.319,50.336 44.319,50.346 ccw(c44.934,50.346) 44.934,49.091 45.722,49.091
  region net NetL3_1: 54.496,68.996 54.496,70.065 ccw(c40.672,69.377) 49.96,79.639 47.202,79.639 47.202,77.809 ccw(c47.299,77.809) 47.23,77.74 ccw(c47.413,77.923) 47.413,77.665 48.997,77.665 cw(c48.997,76.639) 49.258,77.631 cw(c41.666,70.038) 52.404,70.037 52.404,68.453
  region net 5V: 56.364,64.134 cw(c55.058,64.133) 55.982,63.21 55.54,62.769 cw(c53.663,64.76) 53.582,62.025 57.119,61.876 57.979,62.736 ccw(c56.697,64.018) 58.51,64.018
  region net 5V: 49.048,49.096 50.048,49.096 ccw(c50.048,51.636) 51.844,49.84 56.806,53.765 56.692,57.328 57.268,58.499 57.268,62.025 53.582,62.025 53.582,58.499 cw(c53.582,57.743) 54.117,58.277 54.287,58.107 cw(c54.085,57.905) 54.371,57.905 54.371,55.845 cw(c51.831,55.845) 53.627,54.049 51.606,52.028 cw(c49.81,53.823) 49.81,51.284 49.044,51.284
  region net NetD5_2: 9.299,78.091 9.299,79.569 ccw(c7.716,79.569) 7.716,81.151 ccw(c7.716,81.223) 7.788,81.223 7.788,81.427 ccw(c7.871,81.427) 7.871,81.344 9.663,81.344
  region net NetD5_2: 10.244,78.103 10.244,79.229 cw(c12.177,79.229) 12.177,81.162 8.028,81.162 cw(c8.028,79.897) 9.299,79.897 9.299,78.091
  region net NetC9_2: 12.746,85.128 cw(c13.832,84.066) 13.814,85.584 14.956,85.584 14.956,85.611 cw(c14.999,85.611) 14.969,85.642 12.557,85.642
  region net NetC9_2: 12.728,87.286 ccw(c13.766,88.289) 13.741,86.846 16.225,86.846 16.225,86.818 cw(c16.123,86.818) 16.195,86.746 cw(c15.978,86.962) 15.978,86.656 12.588,86.656
  pour cut-out: 10.972,77.883 10.887,77.798 8.604,77.798 8.604,75.612 8.606,75.61 10.939,75.612
  region net NetC21_1: 34.213,73.456 40.048,73.456 41.802,75.21 43.816,75.21 43.816,77.074 43.818,77.076 39.972,77.076 39.788,76.892 34.213,76.884
Bottom Layer:
  rectangle net VBAT1C: 32.5,61.079 34.202,63.342

## Silkscreen, mask and mechanical layers (free items; w line width, h text height)
Top Overlay:
  text "CELL1" at 21.905,84.437 h1
  text "GND" at 25.988,84.437 h1
  text "CELL2" at 29.344,84.437 h1
  text "CHARGING" at 1.532,67.742 h1
  text "FUM-SATELLITE" at 9.04,66.969 h1.5 r270
  text "CHARGED" at 1.532,62.805 h1
  text "CAMERA" at 9.083,54.266 h1 r270